# KiCad board interposer.kicad_pcb (continued)
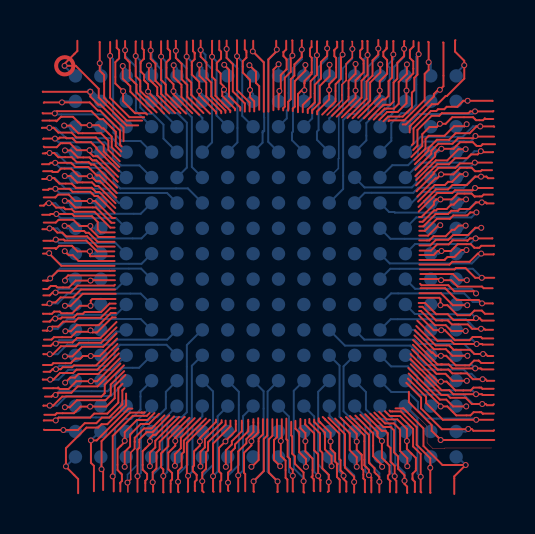
[diagram p0: board, top side]
## Routing (per net, layer and track width the routed paths; a pad name or vN(x,y) marks a point on that pad's centre or on a via; arc(x,y) is an arc through that point) (continued)
CPU_D22: length 3.7
  Top w0.1: v1(-10.06,4.52) -9.76,4.52 -9.44,4.2 -8.7,4.2 -8.52,4.02 -8.38,4.02 -7.52,3.16
  Bottom w0.1: v1(-10.06,4.52) -9.98,4.44 U61.A5
CPU_D23: length 11.2
  Top w0.1: -11.19,4.37 -10.99,4.37 -10.94,4.42 v1(-10.82,4.42) -10.61,4.42 -10.33,4.14 -9.71,4.14 -9.5,3.93 -8.71,3.93 -8.5,3.72 -8.33,3.72 -7.53,2.92
  Bottom w0.1: U61.E6 -4.94,3.67 -7.48,3.67 -7.7,3.89 -10.03,3.89 -10.56,4.42 v1(-10.82,4.42)
CPU_D24: length 7.9
  Top w0.1: -7.56,2.67 -8.41,3.52 -8.57,3.52 -8.78,3.73 -9.67,3.73 -9.82,3.88 v1(-10.53,3.88) -10.84,3.88 -10.89,3.83 -11.15,3.83
  Bottom w0.1: v1(-10.53,3.88) -10.31,3.66 -7.84,3.66 -7.35,3.17 -6.98,3.17
CPU_D25: length 4.8
  Top w0.1: v1(-8.8,3.27) -8.53,3.27 -7.68,2.42 -7.55,2.42 ; v1(-8.8,3.27) -9.54,3.27 -9.86,3.59 -10.39,3.59 -10.53,3.45 -10.53,3.45 -11.11,3.45 ; v1(-8.8,3.27) -8.66,3.27
  Bottom w0.1: v1(-8.8,3.27) -8.7,3.17 U61.B6
CPU_D26: length 3.5
  Top w0.1: v1(-10.06,3.28) -9.86,3.28 -9.53,2.95 -8.5,2.95 -7.73,2.18 -7.57,2.18
  Bottom w0.1: U61.A6 -9.95,3.17 v1(-10.06,3.28)
CPU_D27: length 9.9
  Top w0.1: -7.57,1.94 -7.78,1.94 -8.57,2.73 -9.58,2.73 -9.71,2.86 -10.03,2.86 -10.11,2.94 -10.49,2.94 -10.71,3.16 v1(-10.85,3.16) -10.99,3.16 -11.11,3.04 -11.3,3.04
  Bottom w0.1: U61.D6 -6.26,2.63 -10,2.63 -10.53,3.16 v1(-10.85,3.16)
CPU_D28: length 8
  Top w0.1: -11.19,2.58 -10.81,2.58 -10.77,2.62 v1(-10.48,2.62) -9.69,2.62 -9.58,2.51 -8.7,2.51 -8.41,2.22 -8.41,1.84 -8.27,1.7 -7.56,1.7
  Bottom w0.1: -6.98,1.91 -7.49,2.41 -10.27,2.41 v1(-10.48,2.62)
CPU_D29: length 4.9
  Top w0.1: -7.56,1.47 -8.37,1.47 -8.78,1.88 v1(-8.78,2.02) -9.32,2.02 -9.63,2.33 -10.37,2.33 -10.51,2.19 -11.11,2.19
  Bottom w0.08: -8.28,1.93 -7.96,1.93
  Bottom w0.1: U61.B7 -8.66,1.91 v1(-8.78,2.02)
CPU_D30: length 3.7
  Top w0.1: v1(-10.07,2.03) -9.85,2.03 -9.59,1.77 -9.09,1.77 -9,1.68 -8.86,1.68 -8.41,1.23 -7.57,1.23
  Bottom w0.08: -9.78,1.8 -9.67,1.8 -9.54,1.93
  Bottom w0.1: U61.A7 -9.94,1.91 v1(-10.07,2.03)
CPU_D31: length 9.5
  Top w0.1: -7.56,0.99 -8.43,0.99 -8.94,1.5 -9.99,1.5 -10.18,1.69 -10.43,1.69 -10.64,1.9 v1(-10.82,1.9) -10.86,1.86 -11.18,1.86
  Bottom w0.1: v1(-10.82,1.9) -10.43,1.9 -9.93,1.4 -6.22,1.4 U61.D7
CPU_DC#: length 3
  Top w0.1: -0.33,7.83 -0.33,9.01 -0.49,9.17 -0.49,9.73 v1(-0.82,10.06)
  Bottom w0.1: -0.63,9.52 -0.63,9.88 v1(-0.82,10.06)
CPU_EADS#: length 4.5
  Top w0.1: -1.05,11.31 -1.05,10.85 -0.97,10.77 -0.97,10.44 -1.15,10.26 -1.15,9.69 -0.79,9.33 v1(-0.79,8.82) -0.79,8.46 -0.58,8.25 -0.58,7.75
  Bottom w0.1: U61.H2 -0.63,8.62 -0.81,8.8 v1(-0.79,8.82)
CPU_FLUSH#: length 3.3
  Top w0.1: -1.28,7.79 -1.28,7.95 -1.84,8.51 -1.84,8.74 -1.84,9.83 -2.08,10.07 v1(-2.08,10.08)
  Bottom w0.08: -1.92,9.55 -1.92,9.55
  Bottom w0.1: -1.91,9.52 -1.91,9.91 v1(-2.08,10.08)
CPU_HLDA: length 8
  Top w0.1: 3.85,11.27 3.84,11.26 v1(3.84,10.59) 3.76,10.51 3.76,9.38 3.49,9.11 3.49,8.26 2.82,7.59
  Bottom w0.1: U61.L3 3.18,7.41 3.66,7.89 3.66,10.41 v1(3.84,10.59)
CPU_HOLD: length 3.7
  Top w0.1: 3.31,7.53 4.14,8.36 4.14,9.28 4.49,9.63 v1(4.49,10.12)
  Bottom w0.08: 4.43,9.54 4.43,9.55
  Bottom w0.1: 4.45,9.52 4.45,10.07 v1(4.49,10.12)
CPU_INTR: length 4.8
  Top w0.1: -2.33,11.28 -2.33,10.83 -2.24,10.74 -2.24,10.39 -2.45,10.18 -2.45,9.84 -2.26,9.65 -2.26,9.16 -2.09,8.99 v1(-2.09,8.84) -2.18,8.75 -2.18,8.52 -1.54,7.88 -1.54,7.8
  Bottom w0.1: U61.G2 -1.91,8.58 -2.13,8.81 -2.12,8.81 v1(-2.09,8.84)
CPU_KEN#: length 5
  Top w0.1: 4.82,11.27 4.83,11.26 4.83,10.9 4.72,10.79 4.72,10.46 4.89,10.29 4.89,9.7 4.49,9.3 v1(4.49,8.79) 4.49,8.43 3.55,7.49
  Bottom w0.1: v1(4.49,8.79) 4.45,8.74 U61.M2
CPU_NMI: length 8.1
  Top w0.1: -2.68,11.28 -2.69,11.27 v1(-2.69,10.48) -2.69,9.48 -2.52,9.31 -2.52,8.53 -1.78,7.79 -1.78,7.71
  Bottom w0.08: -1.92,7.01 -1.95,6.98 -1.95,6.68
  Bottom w0.1: U61.G3 -2.46,7.54 -2.46,10.25 v1(-2.69,10.48)
CPU_RDY#: length 12.7
  Top w0.1: 3.81,7.45 4.79,8.43 4.79,9.28 5.09,9.58 v1(5.09,10.57) 5.09,11.26 5.08,11.27
  Bottom w0.1: v1(5.09,10.57) 5.09,10.54 4.92,10.37 4.93,10.36 4.93,8.05 4.5,7.62 4.17,7.62 3.87,7.32 3.87,3.87 U61.L6
CPU_RESET: length 9.5
  Top w0.1: -1.96,11.29 v1(-1.96,10.87) -1.96,10.42 -1.65,10.11 -1.65,8.75 -1.05,8.15 -1.05,7.74
  Bottom w0.1: U61.G4 -1.42,6.2 -1.42,9.91 -1.96,10.45 v1(-1.96,10.87)
CPU_SMI#: length 4.9
  Top w0.1: -2.49,7.64 -2.49,7.72 -3.33,8.56 v1(-3.33,8.77) -3.33,9.22 -3.7,9.59 -3.7,10.22 -3.56,10.36 -3.56,10.64 -3.54,10.66 -3.64,10.76 -3.64,11.28 -3.65,11.29
  Bottom w0.1: U61.F2 -3.17,8.59 -3.34,8.76 v1(-3.33,8.77)
CPU_SMIACT#: length 3.5
  Top w0.1: -2.23,7.66 -2.23,7.75 -2.98,8.5 -2.98,9.19 -3.32,9.53 v1(-3.32,10.08)
  Bottom w0.1: -3.17,9.52 -3.17,9.93 v1(-3.32,10.08)
CPU_SRESET: length 9.7
  Top w0.1: -2.02,7.68 -2.02,7.79 -2.73,8.5 -2.73,9.19 -2.97,9.43 -2.97,10.2 -3.26,10.49 v1(-3.26,10.82) -3.26,11.29
  Bottom w0.1: v1(-3.26,10.82) -3.02,10.58 -3.02,10.19 -2.69,9.86 -2.69,6.2 U61.F4
CPU_STPCLK#: length 3.6
  Top w0.1: v1(-4.61,10.06) -4.61,9.47 -4.22,9.08 -4.22,8.47 -3.33,7.58
  Bottom w0.1: v1(-4.61,10.06) -4.44,9.89 -4.44,9.52
CPU_WR#: length 4.7
  Top w0.1: 3.55,11.24 3.57,11.22 3.57,10.96 3.41,10.8 3.43,10.78 3.43,10.51 3.52,10.42 3.52,9.46 3.17,9.11 v1(3.17,8.82) 3.17,8.35 2.57,7.75 2.57,7.6
  Bottom w0.1: U61.L2 3.18,8.81 v1(3.17,8.82)
F65_LDEV#: length 10.7
  Top w0.1: 4.9,7.4 5.85,8.35 5.97,8.35 6.14,8.52 6.14,9.26 6.32,9.44 6.32,10.54 v1(6.38,10.6) 6.38,11.26 6.39,11.27
  Bottom w0.1: U61.M4 5.03,6.3 5.03,7.17 5.46,7.6 5.79,7.6 5.79,7.64 6.2,8.05 6.2,8.7 6.16,8.74 6.2,8.78 6.2,9.94 6.08,10.06 6.38,10.36 v1(6.38,10.6)
  Bottom w0.2: 4.31,5.86 4.43,5.74
F65_MIO#: length 9.4
  Top w0.1: -0.63,11.28 -0.63,10.77 v1(-0.65,10.75) -0.1,10.2 -0.1,7.73
  Bottom w0.1: -0.16,6.69 -0.16,6.77 ; -0.16,6.69 -0.08,6.77 -0.08,7.45 -0.09,7.46 -0.09,10.19 v1(-0.65,10.75) ; -0.16,6.69 -0.16,6.19 U61.H4
FCD_TC: length 9.8
  Top w0.1: -0.88,-7.67 -0.88,-8.24 -1.54,-8.9 -1.54,-9.08 -1.73,-9.27 -1.73,-10.15 -1.89,-10.31 v1(-1.89,-10.81) -1.89,-11.2 -1.86,-11.23
  Bottom w0.08: -1.91,-5.72 -1.91,-5.99
  Bottom w0.1: U61.G13 -1.35,-6.27 -1.35,-9.92 -1.89,-10.46 v1(-1.89,-10.81)
IOCHRDY: length 7.7
  Top w0.1: -1.39,-11.25 -1.38,-11.24 v1(-1.38,-10.45) -1.38,-9.25 -0.97,-8.84 -0.97,-8.64 -0.62,-8.29 -0.62,-7.64
  Bottom w0.1: U61.H14 -1.14,-7.49 -1.14,-10.21 v1(-1.38,-10.45)
IOCS16#: length 3
  Top w0.1: 0.56,-7.65 0.56,-8.53 0.41,-8.68 0.41,-9.68 v1(0.72,-9.99)
  Bottom w0.1: 0.64,-9.53 0.64,-9.91 v1(0.72,-9.99)
IOW#_Res: length 7.6
  Top w0.1: 1.03,-7.61 1.03,-8.64 1.09,-8.7 1.09,-9.51 1.21,-9.63 1.21,-10.03 1.35,-10.17 v1(1.35,-10.47) 1.35,-11.24 1.37,-11.26
  Bottom w0.1: 0.64,-6.98 1.16,-7.51 1.16,-10.28 v1(1.35,-10.47)
KB_RESET#: length 9.7
  Top w0.1: 8.84,-2.7 9.11,-2.7 9.31,-2.9 10.11,-2.9 10.33,-3.12 v1(10.77,-3.12) 10.93,-3.12 10.98,-3.17 11.37,-3.17 ; 8.84,-2.7 8.77,-2.7 ; 8.84,-2.7 8.52,-2.7 7.84,-2.02 7.68,-2.02
  Bottom w0.1: v1(10.77,-3.12) 10.49,-3.12 10.01,-2.64 6.25,-2.64 5.72,-3.18
KB_SPKDN: length 3.7
  Top w0.1: 7.47,-3.2 8.41,-4.14 9.01,-4.14 9.34,-4.47 v1(10.09,-4.47)
  Bottom w0.1: v1(10.09,-4.47) 10.06,-4.45 U61.T12
LA17: length 10.9
  Top w0.1: -7.61,-11.25 -7.61,-10.55 v1(-7.66,-10.5) -7.66,-8.48 -6.66,-7.47 -5.95,-7.47 -5.81,-7.33
  Bottom w0.1: U61.D13 -6.27,-6.27 -6.27,-7.16 -6.73,-7.62 -7.07,-7.62 -7.54,-8.09 -7.54,-10.38 v1(-7.66,-10.5)
LA18: length 5.6
  Top w0.1: -7.28,-11.25 -7.28,-10.85 -7.3,-10.83 -7.2,-10.73 -7.2,-10.4 -7.42,-10.18 -7.42,-9.14 -7.06,-8.78 v1(-7.06,-8.72) -7.06,-8.29 -6.45,-7.68 -5.92,-7.68 -5.57,-7.33
  Bottom w0.08: -6.99,-8.25 -6.99,-8.26
  Bottom w0.1: v1(-7.06,-8.72) -6.98,-8.65 -6.98,-8.26
LA19: length 4.1
  Top w0.1: -5.34,-7.37 -5.85,-7.88 -6.26,-7.88 -6.79,-8.41 -6.79,-9 -7.06,-9.27 v1(-7.06,-10.02)
  Bottom w0.1: v1(-7.06,-10.02) -6.98,-9.95 -6.98,-9.53
LA20: length 9.4
  Top w0.08: -6.9,-11.28 -6.9,-10.83 v1(-6.92,-10.81) -6.76,-10.65 -6.76,-9.31 -6.56,-9.11
  Top w0.1: -5.07,-7.45 -5.72,-8.1 -6.09,-8.1 -6.56,-8.57 -6.56,-9.11
  Bottom w0.08: v1(-6.92,-10.81) -6.92,-10.41 -6.44,-9.93 -6.44,-7.72 -6.34,-7.62 -6.34,-7.61 U61.D14 -5.72,-7.28
LA21: length 10.8
  Top w0.1: -6.42,-11.27 v1(-6.42,-10.49) -6.42,-9.16 -6.33,-9.07 -6.33,-8.66 -5.96,-8.29 -5.67,-8.29 -4.83,-7.45
  Bottom w0.08: -4.53,-5.96 -4.53,-5.8 -4.45,-5.72
  Bottom w0.1: U61.E13 -5,-6.27 -5,-7.1 -5.44,-7.54 -5.71,-7.54 -6.08,-7.91 ; -6.08,-7.91 -6.14,-7.97 -6.15,-7.97 ; -6.08,-7.91 -6.25,-8.08 -6.25,-10.32 v1(-6.42,-10.49)
LA22: length 5.1
  Top w0.1: -4.59,-7.5 -5.51,-8.42 -5.64,-8.42 -5.8,-8.58 v1(-5.8,-8.74) -5.8,-8.88 -6.16,-9.24 -6.16,-10.16 -5.94,-10.38 -5.94,-10.63 -6.03,-10.72 -6.03,-11.22 -6.02,-11.23
  Bottom w0.1: v1(-5.8,-8.74) -5.72,-8.66 -5.72,-8.26
LA23: length 3.6
  Top w0.1: v1(-5.8,-9.99) -5.8,-9.32 -5.53,-9.05 -5.53,-8.72 -4.34,-7.53
  Bottom w0.08: -5.73,-9.53 -5.72,-9.53
  Bottom w0.1: U61.D16 -5.72,-9.91 v1(-5.8,-9.99)
MEMCS16#: length 9.4
  Top w0.1: 0.58,-11.28 0.59,-11.27 v1(0.59,-10.75) 0.15,-10.31 0.15,-8.65 0.33,-8.47 0.33,-7.64
  Bottom w0.1: v1(0.59,-10.75) 0.09,-10.25 0.09,-6.26 0.64,-5.72
MEMR#_res: length 9.8
  Top w0.1: -2.01,-7.71 -2.01,-7.91 -2.89,-8.79 -2.89,-9.2 -2.99,-9.3 -2.99,-10.12 -3.18,-10.31 v1(-3.18,-10.74) -3.18,-11.22 -3.11,-11.29
  Bottom w0.08: -2.92,-5.72 -3.18,-5.72
  Bottom w0.1: U61.F13 -2.64,-6.25 -2.64,-9.92 -3.18,-10.46 v1(-3.18,-10.74)
PCMCIA_CLK: length 3.2
  Top w0.1: v1(-0.72,-10.02) -0.7,-10.02 -0.36,-9.68 -0.36,-8.61 -0.14,-8.39 -0.14,-7.65 -0.14,-7.65
  Bottom w0.1: U61.H16 -0.63,-9.94 v1(-0.72,-10.02)
PNET1: length 50.8
  Top w0.1: -11.16,8.74 -11.15,8.73 v1(-8.78,8.73) ; 1.12,7.79 1.12,8.23 1.25,8.36 1.25,9.36 1.43,9.54 1.43,10.1 1.8,10.47 v1(1.8,10.84) 1.8,11.29 1.81,11.3 ; 11.32,5.19 v1(10.46,5.19) 10.42,5.15 9.71,5.15 9.49,4.93 8.64,4.93 8.4,4.69 8.4,4.63 8.27,4.5 8.27,4.49 7.55,3.77 7.55,3.76 ; -7.47,-3.35 -8.14,-4.02 -9.2,-4.02 -9.68,-4.5 v1(-10.05,-4.5) ; v1(-8.78,8.73) -8.78,8.59 ; v1(-8.78,8.73) -8.78,8.49 -8.38,8.09 -8.28,8.09 -7.12,6.93 -7.12,6.26 ; -8.6,-11.24 -8.6,-9.97 -8.75,-9.82 v1(-8.75,-8.7) -8.46,-8.7 -6.87,-7.11 -6.68,-7.11 ; 0.52,11.28 0.52,10.87 v1(0.55,10.84) 0.55,10.77 0.13,10.35 0.13,7.74 ; -7.55,-0.69 -8.75,-0.69 v1(-8.77,-0.71) -9.51,-0.71 -9.85,-1.05 -10.44,-1.05 -10.51,-0.98 -10.76,-0.98 -10.91,-1.13 -11.14,-1.13
  Bottom w0.1: v1(10.46,5.19) 10.25,4.98 7.96,4.98 7.54,4.56 7.54,4.18 7.31,3.95 4.94,3.95 U61.M5 ; U61.B9 -8.69,-0.64 v1(-8.77,-0.71) ; 0.64,5.71 0.12,6.23 0.12,10.33 0.55,10.76 v1(0.55,10.84) ; v1(-10.05,-4.5) -10,-4.45 U61.A12 ; -8.25,-8.26 -8.3,-8.26 v1(-8.75,-8.7) ; U61.K4 1.31,6.31 1.31,6.69 1.36,6.74 1.36,9.92 1.8,10.36 v1(1.8,10.84)
  Bottom w0.3: v1(-8.78,8.73) -8.79,8.74 -8.8,8.74 -8.31,8.25 U61.B2 -8.19,8.25
  Bottom w0.4: -8.26,-0.72 -8.26,-0.64 ; 1.89,5.74 1.77,5.74 ; 0.62,5.74 0.71,5.74
PNET7: length 16.7
  Top w0.1: 4.21,-7.48 5.16,-8.43 5.16,-9.81 5.44,-10.09 5.44,-10.29 5.68,-10.53 v1(5.68,-10.77) 5.68,-11.3 ; -2.81,-7.67 -2.81,-7.68 -3.95,-8.82 -3.95,-10.41 v1(-3.89,-10.47) -3.89,-11.25 -3.91,-11.27
  Bottom w0.1: U61.F14 -3.17,-7.5 -3.67,-7.99 -3.67,-10.28 -3.7,-10.28 v1(-3.89,-10.47) ; v1(5.68,-10.77) 5.68,-10.34 5.19,-9.85 5.19,-8.34 5.23,-8.3 5.23,-7.77 U61.M14
PS/RCLR#: length 11.4
  Top w0.1: 11.38,-4.48 11.1,-4.48 11,-4.38 v1(10.87,-4.38) 10.44,-4.38 10.23,-4.17 9.4,-4.17 9.18,-3.95 8.5,-3.95 7.53,-2.98
  Bottom w0.1: 4.45,-3.18 4.93,-3.66 7.45,-3.66 7.67,-3.88 9.93,-3.88 10.43,-4.38 v1(10.87,-4.38)
REFRESH#: length 8.9
  Top w0.1: -5.64,-11.27 -5.64,-10.81 v1(-5.66,-10.79) -5.66,-10.29 -5.47,-10.1 -5.47,-9.31 -5.31,-9.15 -5.31,-8.77 -4.07,-7.53 -4.06,-7.53
  Bottom w0.08: -4.58,-6.99 -4.45,-6.99
  Bottom w0.1: U61.E14 -5.18,-7.72 -5.18,-9.93 -5.66,-10.41 v1(-5.66,-10.79)
RTCBAT: length 3.2
  Top w0.1: 7.67,-2.23 7.76,-2.23 8.47,-2.94 9,-2.94 9.29,-3.23 v1(10,-3.23)
  Bottom w0.1: 9.53,-3.18 9.95,-3.18 v1(10,-3.23)
SA0: length 4.9
  Top w0.1: -3.56,-7.59 -4.53,-8.56 v1(-4.53,-8.73) -4.53,-8.97 -4.88,-9.32 -4.88,-10.14 -4.69,-10.33 -4.69,-10.65 -4.76,-10.72 -4.76,-11.29
  Bottom w0.1: v1(-4.53,-8.73) -4.44,-8.65 -4.44,-8.26
SA1: length 3.4
  Top w0.1: -3.28,-7.6 -4.25,-8.57 -4.25,-9.09 -4.55,-9.39 v1(-4.55,-9.97)
  Bottom w0.1: U61.E16 -4.44,-9.87 v1(-4.55,-9.97)
SA16: length 5.9
  Top w0.1: -8.14,-11.18 -8.14,-10.22 v1(-8.22,-10.14) -8.22,-8.74 -6.79,-7.31 -6.22,-7.31 -6.22,-7.31 -6.08,-7.31 -6.06,-7.29
  Bottom w0.1: v1(-8.22,-10.14) -8.25,-10.11 U61.B16
SBHE#: length 11.1
  Top w0.1: -3,-7.61 -4.1,-8.71 -4.1,-9.28 -4.21,-9.39 -4.21,-10.04 -4.39,-10.22 v1(-4.39,-10.77) -4.39,-11.26 -4.36,-11.29
  Bottom w0.1: U61.F12 -3.7,-4.97 -3.7,-7.57 -3.91,-7.78 -3.91,-9.91 -4.39,-10.39 v1(-4.39,-10.77)
SD0: length 9.6
  Top w0.1: 3.1,-11.28 3.15,-11.23 v1(3.15,-10.78) 3.15,-10.42 2.83,-10.1 2.83,-9.32 2.71,-9.2 2.71,-8.35 2.18,-7.82 2.18,-7.63
  Bottom w0.1: v1(3.15,-10.78) 3.15,-10.44 2.62,-9.91 2.62,-6.27 U61.L13
SD1: length 3.2
  Top w0.1: 2.42,-7.66 2.42,-7.77 2.96,-8.31 2.96,-9.15 3.29,-9.48 v1(3.29,-9.99)
  Bottom w0.1: v1(3.29,-9.99) 3.18,-9.88 U61.L16
SD2: length 4.8
  Top w0.1: 2.72,-7.8 2.66,-7.74 ; 2.72,-7.8 2.65,-7.73 2.65,-7.6 ; 2.72,-7.8 3.24,-8.32 v1(3.24,-8.75) 3.24,-9.12 3.47,-9.35 3.47,-9.76 3.59,-9.88 3.56,-9.91 3.56,-10.53 3.7,-10.67 3.7,-11.29
  Bottom w0.1: v1(3.24,-8.75) 3.18,-8.69 3.18,-8.26
SD3: length 8
  Top w0.1: 4.02,-11.26 4.03,-11.25 4.03,-10.77 3.89,-10.63 v1(3.89,-10.47) 3.89,-10.35 3.74,-10.2 3.74,-9.69 3.68,-9.63 3.68,-8.37 2.97,-7.66 2.97,-7.65 2.85,-7.53
  Bottom w0.1: v1(3.89,-10.47) 3.67,-10.25 3.67,-7.94 3.19,-7.46 3.19,-7 U61.L14
SD4: length 11.1
  Top w0.1: 4.42,-11.31 v1(4.42,-10.78) 4.42,-10.52 3.96,-10.06 3.96,-8.39 3.13,-7.56
  Bottom w0.1: U61.L12 3.69,-4.96 3.69,-7.52 3.91,-7.74 3.91,-9.94 4.42,-10.45 v1(4.42,-10.78)
SD5: length 3.7
  Top w0.1: v1(4.55,-10.02) 4.55,-9.54 4.2,-9.19 4.2,-8.34 3.47,-7.61
  Bottom w0.08: 4.44,-9.83 4.44,-9.53
  Bottom w0.1: v1(4.55,-10.02) 4.45,-9.92 U61.M16
SD6: length 4.8
  Top w0.1: 4.97,-11.29 4.96,-11.28 4.96,-10.68 4.88,-10.6 4.88,-10.19 4.8,-10.11 4.8,-9.42 4.55,-9.17 v1(4.55,-8.76) ; v1(4.55,-8.76) 4.55,-8.37 3.75,-7.57 ; v1(4.55,-8.76) 4.55,-8.69
  Bottom w0.1: 4.45,-8.26 4.45,-8.66 v1(4.55,-8.76)
SD7: length 11.3
  Top w0.1: 4.01,-7.53 4.93,-8.45 4.93,-9.94 5.16,-10.17 v1(5.16,-10.44) 5.28,-10.56 5.28,-11.3
  Bottom w0.08: 4.44,-4.44 4.44,-4.45
  Bottom w0.1: U61.M12 3.89,-5 3.89,-7.24 4.27,-7.62 4.65,-7.62 4.98,-7.95 4.98,-10.26 v1(5.16,-10.44)
SD8: length 3.8
  Top w0.1: v1(5.82,-10.02) 5.82,-9.94 5.37,-9.49 5.37,-8.35 4.48,-7.46
  Bottom w0.08: 5.72,-9.71 5.72,-9.54 5.71,-9.53
  Bottom w0.1: U61.N16 5.72,-9.92 v1(5.82,-10.02)
SD9: length 5.4
  Top w0.1: 6.21,-11.28 6.21,-10.77 6.24,-10.74 6.11,-10.61 6.11,-10.46 6.19,-10.38 6.19,-9.95 5.81,-9.57 v1(5.81,-8.73) 5.59,-8.51 5.59,-8.36 ; 5.59,-8.36 5.59,-8.28 4.73,-7.42 ; 5.59,-8.36 5.59,-8.34
  Bottom w0.08: 5.42,-8.26 5.71,-8.26
  Bottom w0.1: v1(5.81,-8.73) 5.72,-8.64 5.72,-8.26
SD10: length 10.5
  Top w0.1: 4.97,-7.39 5.8,-8.22 5.98,-8.22 6.1,-8.34 6.1,-8.94 6.24,-9.08 6.24,-9.76 6.45,-9.97 v1(6.45,-10.49) 6.45,-10.64 6.53,-10.72 6.53,-11.29 6.52,-11.3
  Bottom w0.1: v1(6.45,-10.49) 6.28,-10.32 6.28,-7.99 5.91,-7.62 5.48,-7.62 5.01,-7.15 5.01,-6.28 U61.M13
SD11: length 9.2
  Top w0.1: 5.23,-7.37 5.89,-8.03 6.25,-8.03 6.42,-8.2 6.42,-9.3 6.62,-9.5 6.62,-10.12 6.94,-10.44 v1(6.94,-10.72) 6.94,-10.88 7.07,-11.01 7.07,-11.31 7.08,-11.32
  Bottom w0.1: U61.N14 6.48,-7.75 6.48,-9.86 6.94,-10.32 v1(6.94,-10.72)
SD12: length 4.4
  Top w0.1: v1(7.08,-9.99) 7.08,-9.59 6.72,-9.23 6.72,-8.16 6.41,-7.85 5.97,-7.85 5.43,-7.31
  Bottom w0.08: 7.01,-9.77 7.01,-9.56 6.98,-9.53
  Bottom w0.1: v1(7.08,-9.99) 6.99,-9.9 U61.P16
SD13: length 5.9
  Top w0.1: 5.67,-7.27 6.05,-7.65 6.58,-7.65 7.06,-8.13 v1(7.06,-8.73) 7.06,-9.13 7.51,-9.58 7.51,-10.2 7.34,-10.37 7.34,-10.65 7.46,-10.77 7.46,-11.27 7.45,-11.28
  Bottom w0.08: 7.03,-8.44 7.03,-8.31 6.98,-8.26
  Bottom w0.1: v1(7.06,-8.73) 6.99,-8.66 6.99,-8.26
SD14: length 9
  Top w0.1: 5.96,-7.24 6.2,-7.48 6.72,-7.48 7.37,-8.13 7.37,-9 7.75,-9.38 v1(7.75,-10.52) 7.75,-11.27 7.78,-11.3
  Bottom w0.1: v1(7.75,-10.52) 7.59,-10.36 7.59,-7.59 U61.P14
SD15: length 6.1
  Top w0.1: 8.24,-11.32 8.23,-11.31 v1(8.23,-10.07) 8.23,-9.6 7.55,-8.92 7.55,-8.04 6.76,-7.25 6.23,-7.25 6.19,-7.21
  Bottom w0.08: 8.28,-9.77 8.28,-9.56 8.25,-9.53
  Bottom w0.1: U61.R16 8.25,-10.05 v1(8.23,-10.07)
U22_CS#_NOT: length 5.8
  Top w0.1: 11.41,-7.36 10.87,-7.36 10.86,-7.37 10.78,-7.29 10.4,-7.29 10.24,-7.45 9.53,-7.45 9.08,-7 v1(8.75,-7) 8.75,-6.96 7.15,-5.36
  Bottom w0.1: U61.R14 8.74,-6.98 v1(8.75,-7)
U61_2XCPU_CLK: length 6.1
  Top w0.1: 8.87,11.2 8.89,11.18 8.89,9.01 v1(8.71,8.83) 8.62,8.83 8.41,8.62 8.41,8.5 7.01,7.1 6.85,7.1
  Bottom w0.08: 8.24,8.05 8.24,8.28
  Bottom w0.1: v1(8.71,8.83) 8.25,8.38 U61.R2
U61_CPU_CLK: length 3.1
  Top w0.1: 1.35,7.77 1.35,7.89 1.45,7.99 1.45,9.26 1.98,9.79 v1(1.98,10.07)
  Bottom w0.1: 1.91,9.52 1.91,9.99 v1(1.98,10.07)
U61_CPU_CLK_33: length 7.7
  Top w0.1: 0.87,7.8 0.87,7.91 0.95,7.99 0.95,9.43 1.25,9.73 1.25,10.46 v1(1.33,10.54) 1.33,11.29 1.32,11.3
  Bottom w0.08: 0.62,7.01 0.74,7.01
  Bottom w0.1: v1(1.33,10.54) 1.14,10.35 1.14,7.88 1.05,7.79 1.05,7.4 0.64,6.98
U61_CPU_CLK_SENS: length 3.2
  Top w0.1: 0.38,7.81 0.38,9.84 0.64,10.1 v1(0.64,10.11)
  Bottom w0.08: 0.45,9.45 0.52,9.45 0.62,9.55
  Bottom w0.1: 0.64,9.52 0.64,10.1 v1(0.64,10.11)
U61_IOR#: length 4.3
  Top w0.1: 1.08,-11.26 1.08,-10.66 0.99,-10.57 0.99,-9.71 0.75,-9.47 v1(0.75,-8.73) 0.75,-8.61 0.8,-8.56 0.8,-7.64
  Bottom w0.1: v1(0.75,-8.73) 0.64,-8.62 0.64,-8.26
U61_MEMW#: length 7.7
  Top w0.1: -1.77,-7.71 -1.77,-7.99 -2.64,-8.86 v1(-2.64,-10.49) -2.64,-11.24 -2.61,-11.27
  Bottom w0.1: U61.G14 -2.41,-7.49 -2.41,-10.26 v1(-2.64,-10.49)
U61_N9_Bowman: length 9.4
  Top w0.1: 11.43,-0.57 v1(10.81,-0.57) 10.48,-0.57 9.99,-0.08 9.51,-0.08 9.44,-0.15 7.72,-0.15
  Bottom w0.1: U61.N9 6.23,-0.12 10.36,-0.12 v1(10.81,-0.57)
U61_N12: length 10.7
  Top w0.1: 11.4,-6.43 10.85,-6.43 10.81,-6.39 v1(10.52,-6.39) 9.38,-6.39 9.18,-6.19 8.8,-6.19 7.25,-4.64 7.24,-4.64
  Bottom w0.1: U61.N12 6.27,-5 7.11,-5 7.58,-5.47 7.58,-5.82 7.96,-6.2 10.33,-6.2 v1(10.52,-6.39)
U61_P9_Bowman: length 6.8
  Top w0.1: 7.72,-0.87 7.79,-0.94 9.13,-0.94 9.43,-1.24 10.41,-1.24 v1(10.52,-1.35)
  Bottom w0.1: U61.P9 7.47,-1.12 10.29,-1.12 v1(10.52,-1.35)
U61_P13: length 9.4
  Top w0.1: 11.41,-6.89 11.36,-6.94 11.06,-6.94 11,-6.88 v1(10.83,-6.88) 10.31,-6.88 10,-6.57 9.23,-6.57 9.09,-6.43 8.79,-6.43 7.25,-4.89
  Bottom w0.1: v1(10.83,-6.88) 10.37,-6.88 9.9,-6.41 7.68,-6.41 U61.P13
U61_PullDN_R246: length 4.7
  Top w0.1: 7.69,0.57 8.4,0.57 8.6,0.77 v1(8.79,0.77) 9.26,0.77 9.6,1.11 10.26,1.11 10.44,0.93 10.68,0.93 10.78,1.03 11.42,1.03 11.43,1.04
  Bottom w0.1: U61.R8 8.66,0.63 v1(8.79,0.77)
U61_PullDN_R249: length 9.5
  Top w0.1: 7.69,0.09 9.19,0.09 9.33,0.23 10.2,0.23 10.61,0.64 v1(10.78,0.64) 10.82,0.6 11.39,0.6 11.41,0.62
  Bottom w0.1: U61.N8 6.2,0.15 10.31,0.15 10.78,0.62 v1(10.78,0.64)
U61_PWRGD: length 4.9
  Top w0.1: 7.66,-1.57 8.68,-1.57 8.74,-1.63 v1(8.74,-1.94) 9.09,-1.94 9.59,-2.44 10.21,-2.44 10.44,-2.21 10.81,-2.21 10.97,-2.37 11.37,-2.37
  Bottom w0.1: U61.R10 8.71,-1.91 v1(8.74,-1.94)
U61_R9_Bowman: length 4.5
  Top w0.1: 11.35,-1.09 10.9,-1.09 10.82,-1.01 9.6,-1.01 9.28,-0.69 v1(8.77,-0.69) 8.71,-0.63 7.72,-0.63
  Bottom w0.08: 8.25,-0.83 8.25,-0.64
  Bottom w0.1: v1(8.77,-0.69) 8.72,-0.64 U61.R9
U61_R13: length 5.5
  Top w0.1: 11.4,-6.12 10.84,-6.12 10.78,-6.06 10.39,-6.06 10.25,-6.2 9.49,-6.2 9.05,-5.76 v1(8.76,-5.76) 8.62,-5.76 7.24,-4.38
  Bottom w0.1: U61.R13 8.72,-5.72 v1(8.76,-5.76)
U61_RAM_A0: length 8.7
  Top w0.1: -11.16,-5.65 -11.15,-5.66 v1(-10.79,-5.66) -10.63,-5.66 -10.3,-5.33 -9.64,-5.33 -9.47,-5.16 -8.43,-5.16 -7.38,-4.11
  Bottom w0.1: -6.98,-4.45 -7.71,-5.17 -9.88,-5.17 -10.37,-5.66 v1(-10.79,-5.66)
U61_RAM_A1: length 11.3
  Top w0.1: -7.42,-3.88 -8.49,-4.95 -9.6,-4.95 -9.69,-5.04 -10.16,-5.04 -10.26,-5.14 v1(-10.5,-5.14) -10.67,-5.14 -10.8,-5.27 -11.12,-5.27
  Bottom w0.1: U61.E12 -4.97,-3.92 -7.29,-3.92 -7.57,-4.2 -7.57,-4.58 -7.96,-4.97 -10.33,-4.97 v1(-10.5,-5.14)
U61_RAM_A2: length 4.9
  Top w0.1: -11.15,-4.93 -10.72,-4.93 -10.63,-4.84 -9.76,-4.84 -9.53,-4.61 -9.28,-4.61 -9.15,-4.48 v1(-8.76,-4.48) -8.31,-4.48 -7.44,-3.61
  Bottom w0.08: -8.3,-4.41 -8.26,-4.45
  Bottom w0.1: U61.B12 -8.72,-4.45 v1(-8.76,-4.48) -8.82,-4.48
U61_RAM_A3: length 11.3
  Top w0.1: -7.47,-3.05 -8.24,-3.82 -9.33,-3.82 -9.5,-3.99 -10.25,-3.99 -10.65,-4.39 v1(-10.81,-4.39) -11.12,-4.39 -11.13,-4.38
  Bottom w0.08: -4.45,-3 -4.45,-3.18
  Bottom w0.1: -4.44,-3.18 -4.93,-3.66 -7.44,-3.66 -7.69,-3.91 -9.94,-3.91 -10.42,-4.39 v1(-10.81,-4.39)
U61_RAM_A4: length 8
  Top w0.1: -11.15,-3.97 -10.76,-3.97 -10.65,-3.86 v1(-10.51,-3.86) -10.45,-3.8 -9.67,-3.8 -9.45,-3.58 -8.27,-3.58 -7.47,-2.78
  Bottom w0.1: -6.98,-3.18 -7.07,-3.26 -7.49,-3.26 -7.92,-3.69 -10.34,-3.69 v1(-10.51,-3.86)
U61_RAM_A5: length 4.7
  Top w0.1: -11.1,-3.66 -10.72,-3.66 -10.6,-3.54 -9.75,-3.54 -9.48,-3.27 -8.84,-3.27 v1(-8.77,-3.2) -8.67,-3.3 -8.44,-3.3 -7.69,-2.55 -7.51,-2.55
  Bottom w0.1: v1(-8.77,-3.2) -8.75,-3.18 -8.25,-3.18
U61_RAM_A6: length 3.4
  Top w0.1: v1(-10.03,-3.24) -9.75,-3.24 -9.45,-2.94 -8.36,-2.94 -7.75,-2.33 -7.5,-2.33
  Bottom w0.1: -9.53,-3.18 -9.97,-3.18 v1(-10.03,-3.24)
U61_RAM_A7: length 9.9
  Top w0.1: -7.52,-2.09 -7.78,-2.09 -8.26,-2.57 -9.37,-2.57 -9.56,-2.76 -10.14,-2.76 -10.39,-3.01 -10.69,-3.01 v1(-10.8,-3.12) -10.85,-3.12 -10.95,-3.22 -10.96,-3.21 -11.16,-3.21
  Bottom w0.08: -5.72,-2.91 -5.72,-3.18
  Bottom w0.1: v1(-10.8,-3.12) -10.41,-3.12 -9.92,-2.63 -6.26,-2.63 -5.72,-3.18
U61_RAM_A8: length 5
  Top w0.1: -7.52,-1.63 -8.68,-1.63 -8.76,-1.71 -8.76,-1.98 v1(-8.77,-1.97) -9.31,-1.97 -9.68,-2.34 -10.23,-2.34 -10.31,-2.26 -10.59,-2.26 -10.7,-2.37 -11.14,-2.37 -11.15,-2.36
  Bottom w0.08: -8.55,-1.91 -8.26,-1.91
  Bottom w0.1: U61.B10 -8.7,-1.91 v1(-8.77,-1.97)
U61_RAM_A9: length 3.3
  Top w0.1: -7.51,-1.37 -9.16,-1.37 -9.76,-1.97 v1(-10.05,-1.97)
  Bottom w0.1: v1(-10.05,-1.97) -9.98,-1.91 U61.A10
U61_RAM_A10: length 9.7
  Top w0.1: -7.54,-1.16 -9.25,-1.16 -9.64,-1.55 -10.27,-1.55 -10.52,-1.8 -10.77,-1.8 v1(-10.82,-1.85) -10.89,-1.85 -10.96,-1.92 -11.18,-1.92
  Bottom w0.08: -5.72,-1.91 -5.75,-1.94 -5.75,-2.16
  Bottom w0.1: U61.D10 -6.26,-1.36 -9.92,-1.36 -10.41,-1.85 v1(-10.82,-1.85)
U61_RAM_A11: length 7.6
  Top w0.1: -7.55,-0.92 -7.59,-0.96 -9.42,-0.96 -9.77,-1.31 v1(-10.52,-1.31) -10.67,-1.31 -10.81,-1.45 -11.13,-1.45
  Bottom w0.1: v1(-10.52,-1.31) -10.33,-1.12 -7.47,-1.12 -6.98,-0.64
U61_RAM_LCASL#: length 9.4
  Top w0.1: -7.57,0.03 -10.23,0.03 -10.84,0.64 v1(-10.84,0.66) -10.86,0.64 -11.15,0.64
  Bottom w0.08: -5.73,0.75 -5.73,0.74 -5.75,0.73
  Bottom w0.1: U61.D8 -6.22,0.13 -10.31,0.13 v1(-10.84,0.66)
U61_RAM_LCASU#: length 3.2
  Top w0.1: -7.56,-0.45 -9.89,-0.45 -10.05,-0.61 v1(-10.05,-0.71)
  Bottom w0.1: v1(-10.05,-0.71) -9.97,-0.64 U61.A9
U61_RAM_RAS2: length 5
  Top w0.1: -7.3,-4.6 -8.44,-5.74 v1(-8.75,-5.74) -9.48,-5.74 -9.87,-6.13 -10.32,-6.13 -10.39,-6.06 -10.42,-6.09 -11.13,-6.09
  Bottom w0.1: U61.B13 -8.72,-5.72 v1(-8.75,-5.74)
U61_RAM_RAS3: length 4.1
  Top w0.1: -7.35,-4.35 -8.38,-5.38 -9.37,-5.38 -9.55,-5.56 -9.79,-5.56 v1(-10.04,-5.81)
  Bottom w0.08: -9.53,-5.72 -9.57,-5.76 -9.57,-5.91
  Bottom w0.1: v1(-10.04,-5.81) -9.94,-5.72 U61.A13
U61_RAM_RAS#: length 9.6
  Top w0.1: -11.13,-6.97 -11.12,-6.96 v1(-10.81,-6.96) -10.64,-6.96 -10.19,-6.51 -8.23,-6.51 -8.06,-6.34 -8.06,-5.91 -7.1,-4.95
  Bottom w0.08: -6.99,-5.72 -7.18,-5.72
  Bottom w0.1: -6.98,-5.72 -7.75,-6.48 -9.97,-6.48 -10.45,-6.96 v1(-10.81,-6.96)
U61_RAM_UCASL#: length 3.6
  Top w0.1: v1(-10.06,0.76) -9.86,0.56 -9.66,0.56 -9.37,0.27 -7.57,0.27
  Bottom w0.08: -9.54,0.75 -9.73,0.57 -9.73,0.55
  Bottom w0.1: v1(-10.06,0.76) -9.94,0.63 U61.A8
U61_RAM_UCASU#: length 9.3
  Top w0.1: -11.15,-0.71 -10.98,-0.71 -10.97,-0.72 -10.91,-0.72 v1(-10.79,-0.6) -10.41,-0.22 -7.55,-0.22
  Bottom w0.1: v1(-10.79,-0.6) -10.3,-0.11 -6.24,-0.11 U61.D9
U61_RAM_WE#: length 4.5
  Top w0.1: -7.59,0.51 -8.78,0.51 -8.8,0.53 v1(-8.8,0.75) -9.42,0.75 -9.7,1.03 -10.34,1.03 -10.5,0.87 -10.54,0.91 -11.11,0.91
  Bottom w0.1: U61.B8 -8.69,0.63 v1(-8.8,0.75)
U61_RESET: length 11.2
  Top w0.1: 7.11,-5.61 8.02,-6.52 8.02,-6.83 8.86,-7.67 v1(10.53,-7.67) 11.38,-7.67
  Bottom w0.1: v1(10.53,-7.67) 10.47,-7.61 8.03,-7.61 7.61,-7.19 7.61,-6.78 7.11,-6.28 6.28,-6.28 U61.N13
U61_RTCBAT_470K: length 8
  Top w0.1: 11.41,-2.71 10.82,-2.71 10.7,-2.59 v1(10.52,-2.59) 10.43,-2.68 9.39,-2.68 9.1,-2.39 8.53,-2.39 7.97,-1.83 7.65,-1.83
  Bottom w0.1: v1(10.52,-2.59) 10.32,-2.39 7.96,-2.39 7.95,-2.38 7.46,-2.38 U61.P10
U61_SPKR: length 6.7
  Top w0.1: 11.42,-8.19 11.39,-8.22 10.39,-8.22 10.3,-8.13 v1(10.13,-8.13) 10.12,-8.14 8.81,-8.14 7.77,-7.1 7.77,-6.56 7.03,-5.82
  Bottom w0.08: 9.52,-8.26 9.52,-8.56
  Bottom w0.1: 9.53,-8.26 10,-8.26 v1(10.13,-8.13)
U61_T9_Bowman: length 3
  Top w0.1: v1(10.06,-0.69) 9.67,-0.69 9.36,-0.38 7.74,-0.38
  Bottom w0.1: v1(10.06,-0.69) 10,-0.64 U61.T9
U61_T13: length 3.9
  Top w0.1: 7.32,-4.15 8.54,-5.37 8.99,-5.37 9.34,-5.72 v1(10.06,-5.72)
  Bottom w0.1: U61.T13 10.06,-5.72 v1(10.06,-5.72)
U61_TP1_T14: length 4.2
  Top w0.1: v1(10.03,-7) 9.37,-7 9.03,-6.66 8.71,-6.66 7.13,-5.08
  Bottom w0.1: v1(10.03,-7) 10.02,-6.98 U61.T14
VL_A14: length 4.6
  Top w0.1: -7.09,-5.24 -7.76,-5.91 -7.76,-6.43 -8.02,-6.69 -9.45,-6.69 -9.8,-7.04 v1(-10.05,-7.04)
  Bottom w0.1: U61.A14 -10,-6.98 v1(-10.05,-7.04)
VL_A15: length 6
  Top w0.1: -7.07,-6.09 -7.18,-6.2 -7.18,-6.9 -7.84,-7.56 -8.2,-7.56 -8.48,-7.84 -9.06,-7.84 -9.4,-8.18 v1(-10.13,-8.18) -11.08,-8.18 -11.1,-8.16
  Bottom w0.1: v1(-10.13,-8.18) -10.05,-8.26 -9.53,-8.26
